# Altium PCB MT-MacthCard V2.1.0.PcbDoc
Units mm, origin at the board's own origin, x right, y up, seen from the top; angles counter-clockwise.
Board outline 115 x 120 mm, 2 copper layers (Top Layer, Bottom Layer); 218 components, 142 nets, 610 pads, 1 vias.
Unrouted connection lines stored in the file: 438.
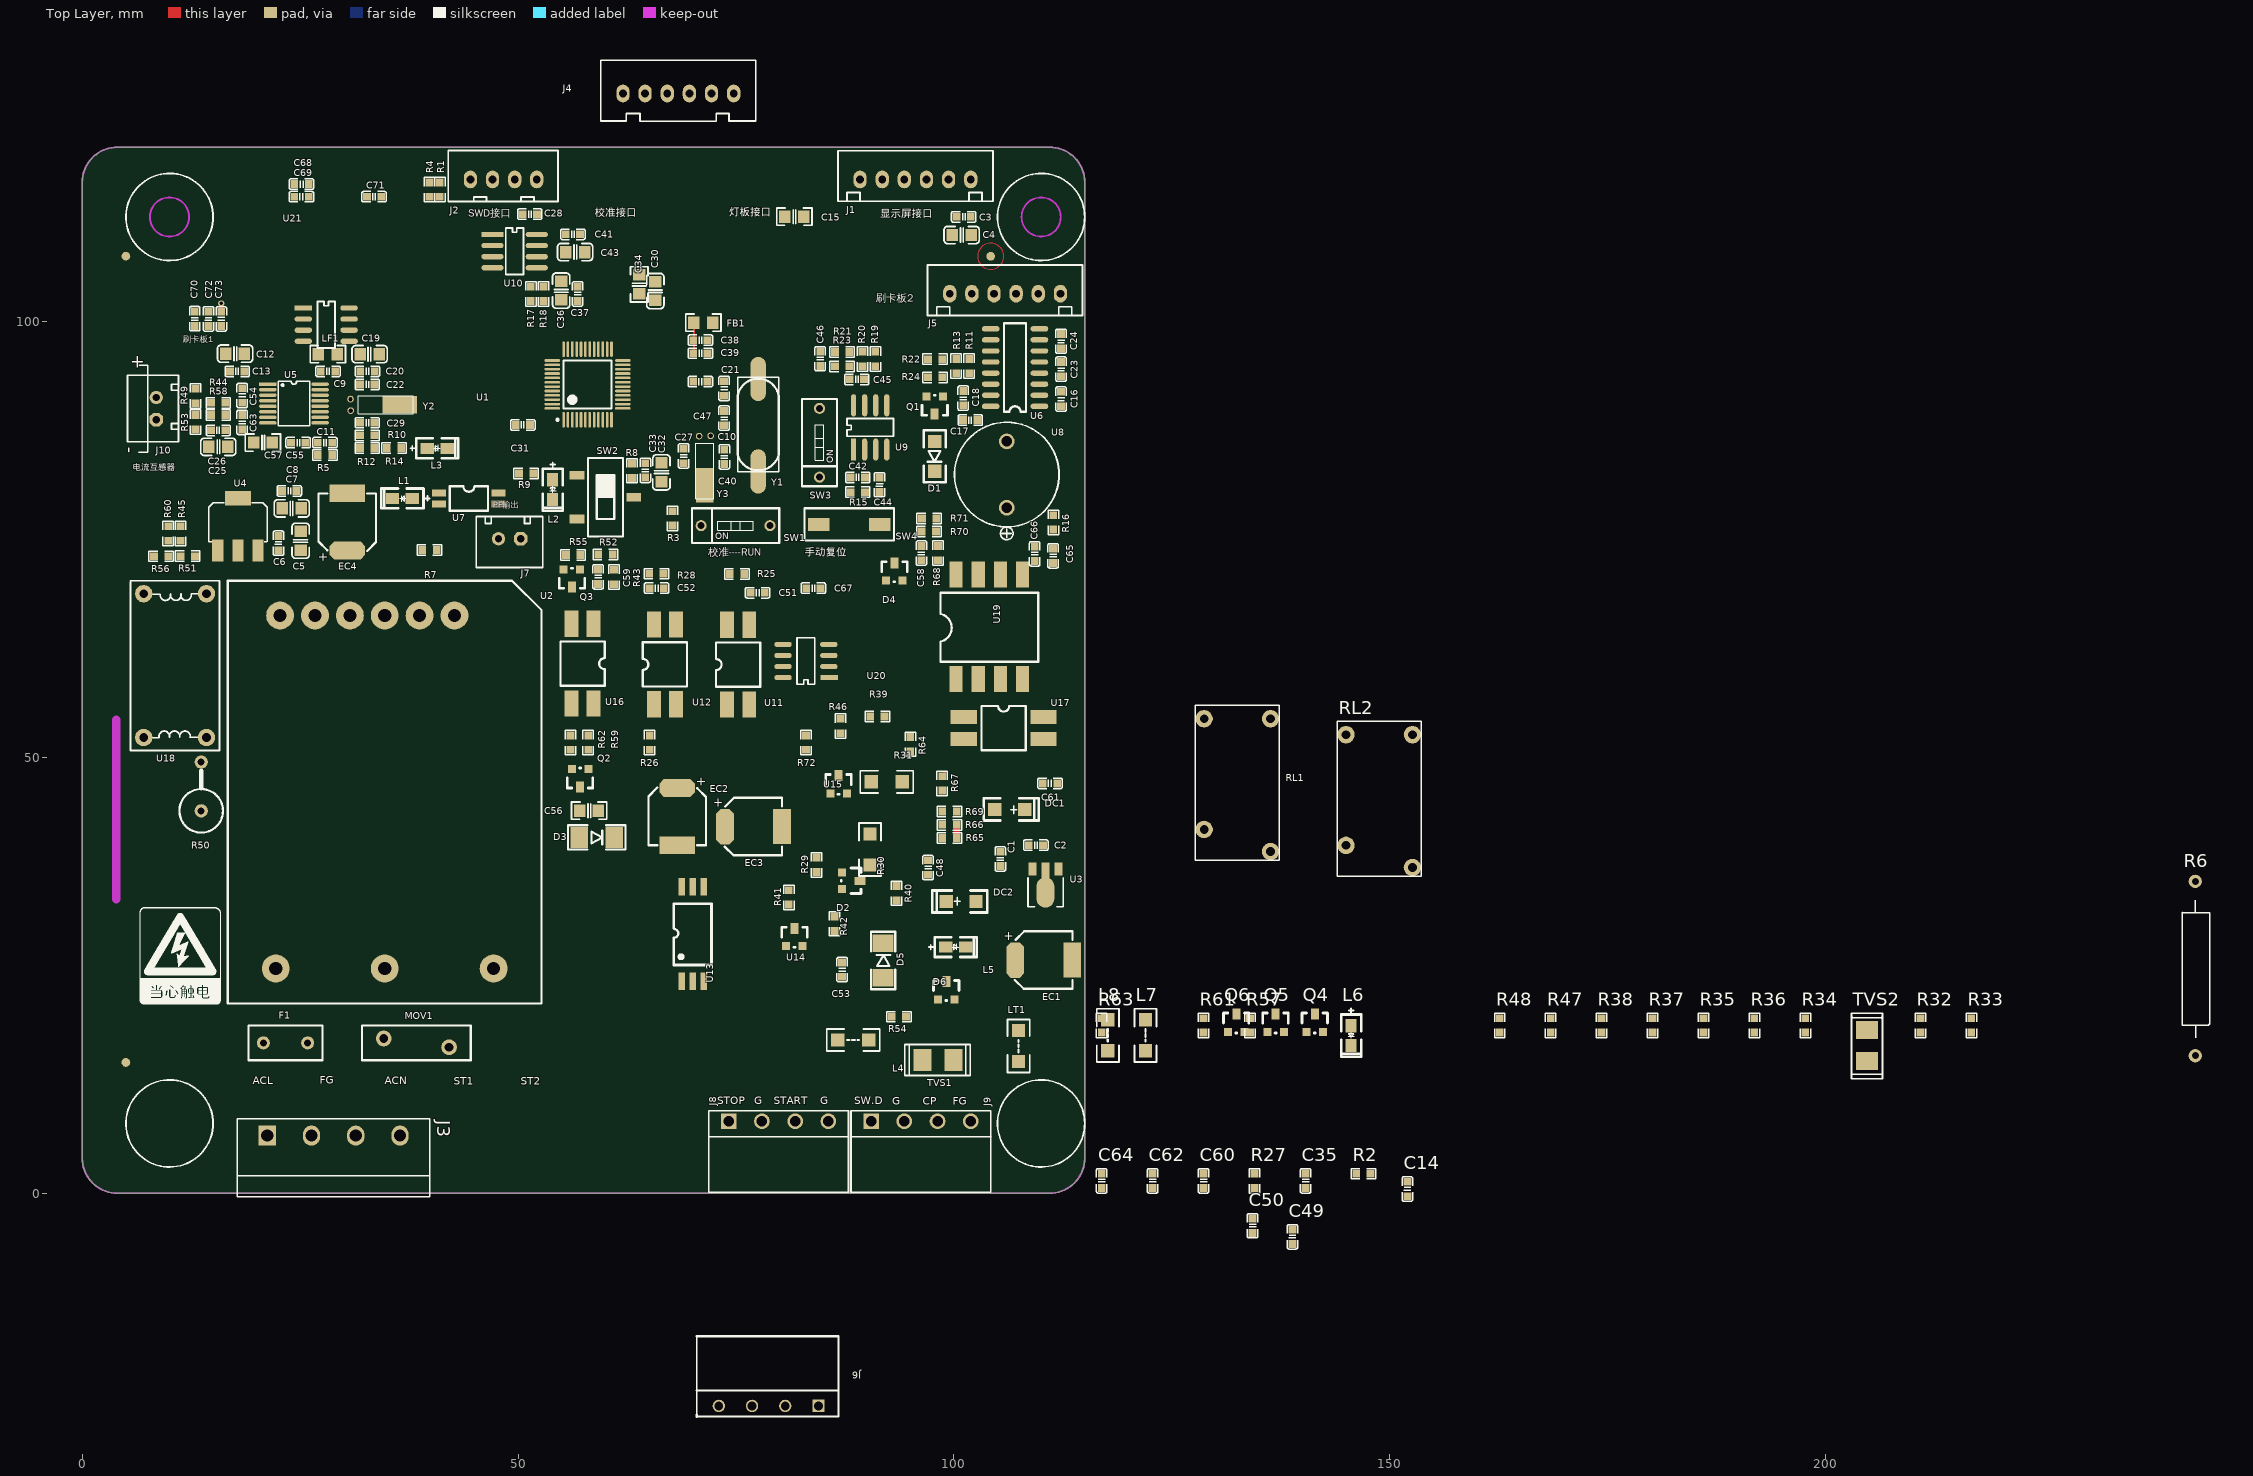
[diagram p0: Top Layer view]
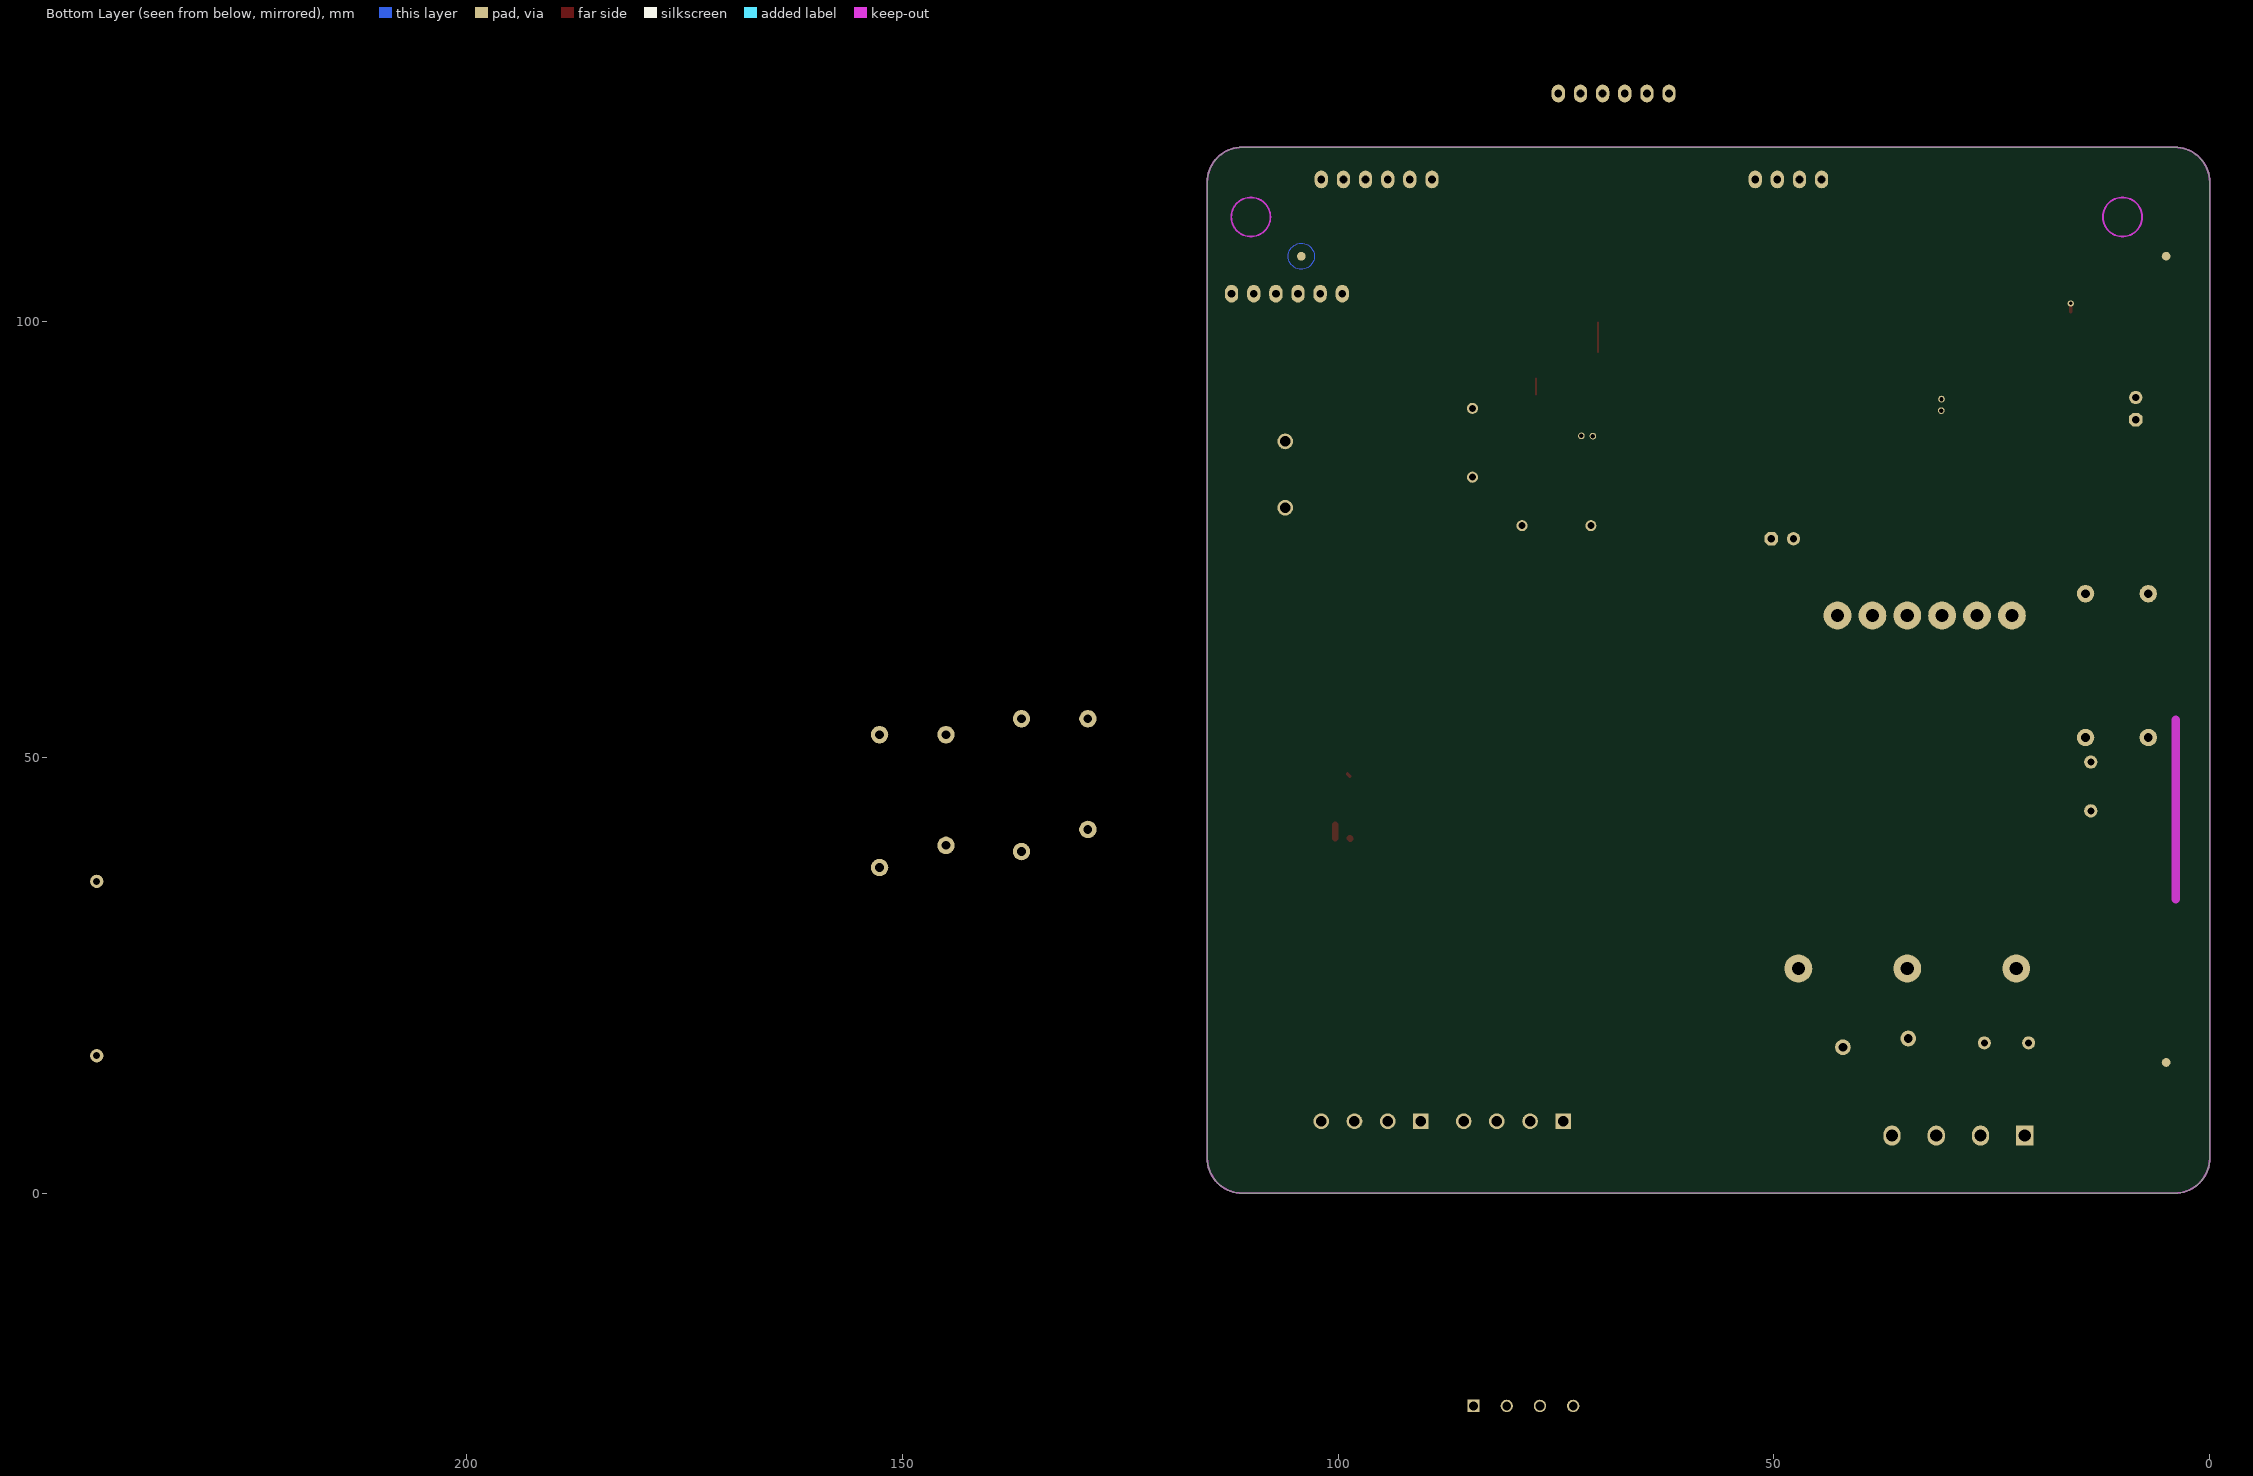
[diagram p1: Bottom Layer view, seen from below]

## Layer stack, top to bottom
Top Layer: signal copper 0.0356
Dielectric: core 0.32, FR-4, Dk 4.8
Bottom Layer: signal copper 0.0356

## Board outline
0,4 ccw(c4,4) 4,0 9,0 111,0 ccw(c111,4) 115,4 115,54.998 115,116 ccw(c111,116) 111,120 4,120 ccw(c4,116) 0,116

## Design rules (kind name [scope] priority, off if disabled: settings)
Clearance [InPoly] p1: gap=0.305
Clearance Clearance_1 [All] p2: gap=0.178
ComponentClearance [All] p1 off: gap=0.025 collisioncheckmode=3 verticalgap=0.025 showdistances=FALSE
FabricationTestpoint [(IsPad And (OnTopLayer Or OnBottomLayer))] p1: side=3 testpointundercomponent=TRUE minsize=1.016 maxsize=2.54 preferedsize=1.524 minholesize=0 maxholesize=1.016 preferedholesize=0.813 testpointgrid=0.025 allowsidetop=TRUE allowsidebottom=TRUE usegrid=TRUE gridtolerance=0
HoleSize [All] p1: absolutevalues=TRUE maxlimit=5.08 minlimit=0 maxpercent=80.000 minpercent=20.000
MinimumSolderMaskSliver [All] p1: minsoldermaskwidth=0
PolygonConnect [IsVia] p1: connectstyle=Direct reliefconductorwidth=0.254 reliefentries=4 polygonreliefangle="90 Angle" airgapwidth=0.254
PolygonConnect PolygonConnect_1 [All] p2: connectstyle=Relief reliefconductorwidth=0.381 reliefentries=4 polygonreliefangle="90 Angle" airgapwidth=0.254
RoutingVias [All] p1: holewidth=0.711 width=1.27 viastyle="Through Hole" minholewidth=0.254 minwidth=0.254 maxholewidth=0.711 maxwidth=1.27
SilkToSilkClearance [All] p1: silktosilkclearance=0
SilkToSolderMaskClearance [IsPad] p1: minsilkscreentomaskgap=0 clearancetoexposedcopper=TRUE
SolderMaskExpansion [All] p1: expansion=0.102
Width [All] p1: maxlimit=10 minlimit=0.013 preferedwidth=0.254 minimp=50.000000 maximp=50.000000 favimp=50.000000
22 further rules are at their usual default settings.

## Components (designator, comment, footprint, x,y, rotation, side; value= is the part's Value field where it differs from the comment)
C1 "104" 0603C 105.33,38.354 r270 top
C2 "104" 0603C 109.394,39.929 r0 top
C3 "104" 0603C 101.114,112.014 r0 top
C4 "10uF" 0805C#1 100.885,109.931 r180 top
C5 "10uF" 0805C#1 25.041,74.854 r90 top
C6 "0.1uF" 0603C 22.501,74.574 r90 top
C7 "10uF" 0805C#1 24.025,78.562 r0 top
C8 "0.1uF" 0603C 23.745,80.569 r0 top
C9 "104" 0603C 28.19,94.285 r180 top
C10 "22P" 0603C 73.631,88.925 r270 top
C11 "104" 0603C 27.835,86.106 r0 top
C12 "10uF" 0805C#1 17.522,96.317 r180 top
C13 "104" 0603C 17.776,94.285 r180 top
C14 "0.1uF" 0603C 152.03,0.479 r90 top
C15 "10uF" 0805C#2 82.749,112.014 r180 top
C16 "0.1uF" 0603C 112.29,91.11 r270 top
C17 "0.1uF" 0603C 101.876,88.697 r180 top
C18 "1uF" 0603C 101.063,91.211 r270 top
C19 "10uF" 0805C#1 32.965,96.266 r0 top
C20 "104" 0603C 32.711,94.285 r0 top
C21 "22P" 0603C 73.631,92.329 r90 top
C22 "22P" 0603C 32.686,92.786 r0 top
C23 "0.1uF" 0603C 112.29,94.539 r270 top
C24 "0.1uF" 0603C 112.29,97.739 r270 top
C25 "10uF" 0805C#1 15.592,85.623 r180 top
C26 "104" 0603C 15.592,87.528 r180 top
C27 "10P" 0603C 68.983,84.582 r270 top
C28 "104" 0603C 51.33,112.319 r0 top
C29 "22P" 0603C 32.686,88.392 r0 top
C30 "10uF" 0805C#1 65.731,103.505 r90 top
C31 "104" 0603C 50.542,88.138 r180 top
C32 "10uF" 0805C#1 66.443,82.702 r270 top
C33 "104" 0603C 64.588,82.931 r270 top
C34 "10uF" 0805C#2 63.877,103.2 r90 top
C35 "104" 0603C 140.346,1.419 r90 top
C36 "10uF" 0805C#1 54.936,103.556 r90 top
C37 "104" 0603C 56.816,103.175 r90 top
C38 "1uF" 0603C 70.913,97.866 r0 top
C39 "104" 0603C 70.913,96.368 r0 top
C40 "10P" 0603C 73.656,84.48 r270 top
C41 "0.1uF" 0603C 56.283,110.007 r0 top
C42 "104" 0603C 88.961,82.124 r180 top
C43 "10uF" 0805C#1 56.537,107.975 r180 top
C44 "104" 0603C 91.462,81.28 r270 top
C45 "104" 0603C 88.845,93.37 r0 top
C46 "104" 0603C 84.654,95.733 r90 top
C47 "104" 0603C 70.913,93.116 r180 top
C48 "104" 0603C 97.028,37.363 r90 top
C49 "104" 0603C 138.836,-5.004 r90 top
C50 "104" 0603C 134.264,-3.734 r90 top
C51 "104" 0603C 77.47,68.885 r0 top
C52 "104" 0603C 65.884,69.418 r0 top
C53 "100pF" 0603C 87.169,25.654 r270 top
C54 "104" 0603C 18.335,91.516 r90 top
C55 "102" 0603C 24.761,86.106 r0 top
C56 "104" 0805C#1 58.137,43.891 r180 top
C57 "104" 0805C#2 21.789,86.106 r180 top
C58 "102" 0603C 96.272,73.435 r270 top
C59 "104" 0603C 59.174,70.717 r90 top
C60 "33nF" 0603C 128.636,1.419 r90 top
C61 "104" 0603C 111.02,47.015 r180 top
C62 "33nF" 0603C 122.794,1.419 r90 top
C63 "33nF" 0603C 18.335,88.443 r270 top
C64 "33nF" 0603C 116.952,1.419 r90 top
C65 "103" 0603C 111.375,73.127 r90 top
C66 "104" 0603C 109.267,73.355 r90 top
C67 "103" 0603C 83.867,69.418 r0 top
C68 "104" 0603C 25.142,115.773 r0 top
C69 "104" 0603C 25.142,114.325 r180 top
C70 "104" 0603C 12.899,100.33 r270 top
C71 "103" 0603C 33.473,114.325 r180 top
C72 "104" 0603C 14.474,100.305 r270 top
C73 "104" 0603C 15.947,100.305 r90 top
D1 "1N4148" 1206D 97.786,84.531 r270 top
D2 "BAV54C" SOT23#1 87.171,36.779 r270 top
D3 "1N4007" DO-214AC 59.026,40.818 r0 top
D4 "BAV54C" SOT23#1 92.224,70.282 r0 top
D5 "1N4007" DO-214AC 91.872,26.695 r90 top
D6 "BAV54C" SOT23#1 98.177,22.225 r0 top
DC1 "10uF,16V" CA1206 108.128,44.044 r0 top
DC2 "10uF,16V" CA1206 99.111,33.452 r180 top
EC1 "100uF,25V" C100UF16VEJ 107.036,26.746 r0 top
EC2 "100uF,25V" C100UF16VEJ 68.246,46.482 r270 top
EC3 "100uF,25V" C100UF16VEJ 73.732,42.062 r0 top
EC4 "100uF,25V" C100UF16VEJ 30.4,73.736 r90 top
F1 "2A/250V" 方形保险丝 23.313,17.247 r180 top
FB1 "220R @ 100MHZ" 0805R 71.243,99.873 r180 top
J1 "CON6" CON06_2.54 89.226,116.307 r0 top
J2 "CON4" CON04_2.54 48.332,116.307 r0 top
J3 "CON3" CON-5.08MM-4P 28.829,6.604 r0 top
J4 "CON6" CON06_2.54 62.027,126.162 r0 top
J5 "CON6" CON06_2.54 99.513,103.2 r0 top
J6 "CON4" KF2EDG-4P-3.81mm 84.455,-24.409 r180 top
J7 "CON2" CON2P 50.288,75.082 r180 top
J8 "CON4" KF2EDG-4P-3.81MM 74.164,8.255 r0 top
J9 "HEADER 4" KF2EDG-4P-3.81MM 90.496,8.255 r0 top
J10 "CON2" CON2P 8.48,88.748 r90 top
L1 "Green" D0805 37.868,79.705 r270 top
L2 "Green" D0805 53.971,81.864 r0 top
L3 "RED" D0805 39.569,85.471 r90 top
L4 "100uH" 1206L#1 88.443,17.577 r180 top
L5 "Green" D0805 99.06,28.245 r90 top
L6 "Green" D0805 145.578,19.224 r0 top
L7 "100uH" 1206L#2 121.981,16.329 r90 top
L8 "100uH" 1206L#2 117.663,16.329 r90 top
LF1 "1.0uH" 0805R 28.165,96.266 r0 top
LT1 "1uH" 1206L#1 107.417,16.891 r270 top
MOV1 "14D471K" 10D471K 38.325,17.247 r180 top
Q1 "8050" SOT23#2 98.751,91.44 r180 top
Q2 "8550" SOT23#2 58.061,48.666 r180 top
Q3 "9013" SOT23#2 57.117,71.583 r180 top
Q4 "9013" SOT23#2 140.447,18.488 r0 top
Q5 "9013" SOT23#2 135.951,18.488 r0 top
Q6 "9013" SOT23#2 131.43,18.488 r0 top
R1 "10K" 0603R 41.017,115.138 r270 top
R2 "10K" 0603R 146.975,2.232 r0 top
R3 "10K" 0603R 67.713,77.419 r270 top
R4 "10K" 0603R 39.823,115.138 r270 top
R5 "47R" 0603R 27.835,84.684 r0 top
R6 "100R" R1-1 242.418,15.773 r90 top
R7 "1.5K" 0603R 39.823,73.787 r180 top
R8 "10K" 0603R 63.064,82.88 r90 top
R9 "3K" 0603R 50.923,82.575 r180 top
R10 "10R" 0603R 32.686,86.944 r0 top
R11 "10R" 0603R 101.749,94.894 r90 top
R12 "10R" 0603R 32.686,85.496 r0 top
R13 "10R" 0603R 100.25,94.894 r90 top
R14 "75R" 0603R 35.759,85.496 r180 top
R15 "10K" 0603R 88.961,80.422 r0 top
R16 "10R" 0603R 111.401,76.962 r270 top
R17 "10k" 0603R 51.457,103.175 r90 top
R18 "10K" 0603R 52.904,103.175 r90 top
R19 "10K" 0603R 90.979,95.707 r270 top
R20 "10K" 0603R 89.506,95.707 r270 top
R21 "10K" 0603R 87.169,96.52 r180 top
R22 "4K7" 0603R 97.837,95.682 r180 top
R23 "47R" 0603R 87.169,94.869 r180 top
R24 "10K" 0603R 97.837,93.599 r0 top
R25 "10K" 0603R 75.104,71.044 r0 top
R26 "10K" 0603R 65.096,51.689 r270 top
R27 "10K" 0603R 134.478,1.419 r90 top
R28 "10K" 0603R 65.858,71.069 r0 top
R29 "200R" 0603R 84.224,37.674 r90 top
R30 "360R" 1206R 90.371,37.648 r90 top
R31 "1K" 1206R 94.082,47.193 r180 top
R32 "20K/1%" 0603R 210.881,19.25 r90 top
R33 "4K7/1%" 0603R 216.723,19.25 r90 top
R34 "51R/1%" 0603R 197.673,19.25 r90 top
R35 "2K7/1%" 0603R 185.989,19.25 r90 top
R36 "1K1/1%" 0603R 191.831,19.25 r90 top
R37 "1k" 0603R 180.147,19.25 r90 top
R38 "1K1/1%" 0603R 174.305,19.25 r90 top
R39 "2K7/1%" 0603R 91.211,54.686 r180 top
R40 "10K" 0603R 93.421,34.417 r90 top
R41 "51R/1%" 0603R 81.051,33.934 r90 top
R42 "10K" 0603R 86.284,30.912 r90 top
R43 "2K" 0603R 61.007,70.688 r90 top
R44 "1.2K" 0603R 15.592,90.678 r0 top
R45 "1.2K" 0603R 11.274,75.692 r90 top
R46 "4K7/1%" 0603R 86.995,53.594 r90 top
R47 "20K/1%" 0603R 168.463,19.25 r90 top
R48 "2K" 0603R 162.621,19.25 r90 top
R49 "22R,1%" 0603R 12.976,91.465 r270 top
R50 "110K/1W" R1-2 13.636,43.866 r90 top
R51 "75R,1%(原100)" 0603R 12.087,73.083 r180 top
R52 "10K" 0603R 60.016,73.279 r0 top
R53 "22R,1%" 0603R 12.976,88.468 r270 top
R54 "10K" 0603R 93.675,20.244 r180 top
R55 "3K" 0603R 56.308,73.228 r180 top
R56 "75R,1%" 0603R 9.039,73.076 r180 top
R57 "3K" 0603R 133.97,19.25 r90 top
R58 "1.2K" 0603R 15.592,89.281 r0 top
R59 "5.1K" 0603R 58.035,51.689 r270 top
R60 "1.2K" 0603R 9.851,75.692 r90 top
R61 "5.1K" 0603R 128.636,19.25 r90 top
R62 "4K7" 0603R 56.003,51.689 r270 top
R63 "4K7" 0603R 116.952,19.25 r90 top
R64 "200R/1%" 0603R 94.996,51.511 r90 top
R65 "10R" 0603R 99.488,40.742 r0 top
R66 "33K/1%" 0603R 99.488,42.266 r180 top
R67 "33K/1%" 0603R 98.65,47.015 r90 top
R68 "31K6/1%" 0603R 98.177,73.435 r270 top
R69 "100K/1%" 0603R 99.488,43.79 r180 top
R70 "10K/1%" 0603R 97.126,75.921 r180 top
R71 "10K/1%" 0603R 97.151,77.419 r0 top
R72 "20K/1%" 0603R 83.029,51.689 r270 top
RL1 "JQ1P-12V" HF32F-12V 129.718,54.432 r90 top
RL2 "JQ1P-12V" HF32F-12V 145.999,52.603 r90 top
SW1 "排针" SW1 70.692,76.592 r270 top
SW2 "K3-1235S-F1" K3-1235S-F1 60.016,79.858 r270 top
SW3 "拨码开关" SW1 84.571,81.843 r0 top
SW4 "按键" SW 87.986,76.733 r0 top
TVS1 "BA301N" 3528TVS#1 98.177,15.291 r0 top
TVS2 "BA301N" 3528TVS#2 204.735,18.716 r90 top
U1 "STM32F103C8T6" LQFP48_N 57.963,92.786 r90 top
U2 "LH05-10C0515-01" LH05-10C0515-01 34.693,46.025 r90 top
U3 "LM78L05" SOT-89 112.014,37.186 r180 top
U4 "AMS1117-3.3" SOT223 17.852,76.733 r0 top
U5 "HT7017/3.3V" SSOP16 24.279,90.602 r0 top
U6 "SP3232EEN" SO-16 109.8,90.272 r180 top
U7 "TLP281" EL3H7 44.345,79.705 r90 top
U8 "BELL" BUZZ 106.067,82.448 r270 top
U9 "SP706SEN" SOP8#1 88.49,85.319 r90 top
U10 "AT24C16" SOP8#1 47.062,109.982 r0 top
U11 "PS2501L-1" DIP-4 73.965,56.083 r180 top
U12 "PS2501L-1" DIP-4 65.557,56.109 r180 top
U13 "W314" "w314 - duplicate" 68.758,24.333 r0 top
U14 "CJ431" SOT23#2 80.747,28.321 r0 top
U15 "CJ431" SOT23#1 85.823,45.872 r0 top
U16 "PS2501L-1" DIP-4 58.67,65.311 r0 top
U17 "PS2501L-1" DIP-4 101.143,54.635 r90 top
U18 "ZMPT107/2mA:2mA" ZMPT107 10.639,60.528 r90 top
U19 "HCNR201" "HCNR201 - S" 100.252,58.979 r90 top
U20 "LM258" SOP8#2 85.547,59.157 r180 top
U21 "LM258" SOP8#2 25.447,101.549 r0 top
Y1 "8M" ZS_SMD 77.542,88.113 r90 top
Y2 "6M" ZS-32.768 33.528,90.449 r0 top
Y3 "32.768KHz" ZS-32.768 71.421,84.125 r270 top

## Footprints (in the part's own frame and the unit in brackets; to place one, negate y for a bottom-side part, rotate by r counter-clockwise, add the part's x,y. Pads: shape width x height; smd on the part's side, far side on the other; paste and mask are expansions set on the pad)
10D471K [mm]
  round 1.8 hole 1: 1(-3.75,0.5) 2(3.75,-0.5)
  silkscreen extent -6.25,-2 6.25,2
0603C [mil]
  rect 35x35 smd: 1(-32.5,0) 2(32.5,0)
  silkscreen extent -55,-24 55,24
0603R [mil]
  rect 35x35 smd: 1(-32.5,0) 2(32.5,0)
  silkscreen extent -55,-24 55,24
0805C#1 [mil]
  rect 52x56 smd: 1(-42.5,0) 2(42.5,0)
  silkscreen extent -80,-39 80,39
0805C#2 [mil]
  rect 52x56 smd: 1(-0.58,-0.68) 2(84.42,-0.68)
  silkscreen extent -38,-40 121,38
0805R [mil]
  rect 52x56 smd: 1(-42.5,0) 2(42.5,0)
  silkscreen extent -80,-39 79,39
1206D [mil]
  rect 60x60 smd: 1(-67.5,0) 2(67.5,0)
  silkscreen extent -118,-50 117,50
1206L#1 [mil]
  rect 60x60 smd: 1(-70,0) 2(70,0)
  silkscreen extent -120,-50 120,50
1206L#2 [mil]
  rect 60x60 smd: 1(0.16,0.47) 2(140.16,0.47)
  silkscreen extent -50,-50 190,50
1206R [mil]
  rect 60x60 smd: 1(0.33,-0.04) 2(140.33,-0.04)
  silkscreen extent -50,-50 190,50
3528TVS#1 [mil]
  rect 80x100 smd: 1(70,0) 2(-70,0)
  silkscreen extent -150,-70 146,70
3528TVS#2 [mil]
  rect 80x100 smd: 1(0.13,-0.54) 2(-139.87,-0.54)
  silkscreen extent -220,-71 76,69
BUZZ [mm]
  round 1.8 hole 1.2: 1(3.8,0) 2(-3.8,0)
  silkscreen extent -6,-6 7.47,6
C100UF16VEJ [mil]
  oct 80x160 smd: 1(-0.01,-0.43)
  rect 80x160 smd: 2(257.94,0.35)
  silkscreen extent -2,-130 258,130
CA1206 [mil]
  rect 60x60 smd: 1(-0.08,-0.48) 2(-135.08,-0.48)
  silkscreen extent -185,-50 62,50
CON2P [mil]
  oct 60x60 hole 33.47: 1(0.08,-0.13)
  round 60 hole 33.47: 2(100.08,-0.13)
  silkscreen extent -100,-100 200,130
CON04_2.54 [mil]
  oval 60x80 hole 35: 1(-150,0) 2(-50,0) 3(50,0) 4(150,0)
  silkscreen extent -250,-100 246,130
CON06_2.54 [mil]
  oval 60x80 hole 35: 1(0,0) 2(100,0) 3(200,0) 4(300,0) 5(400,0) 6(500,0)
  silkscreen extent -100,-98 600,130
CON-5.08MM-4P [mm] "CON-5.08MM-4P"
  rect 2x2.3 hole 1.4: 1(-7.62,0)
  oval 2x2.3 hole 1.4: 2(-2.54,0) 3(2.54,0) 4(7.62,0)
  silkscreen extent -11.04,-6.98 11.04,1.96
D0805 [mil]
  rect 50x60 smd: 1(-0.34,-0.09) 2(-0.34,-90.09)
  silkscreen extent -45,-140 45,77
DIP-4 [mm]
  rect 1.6x3 smd: 1(-0.008,0.015) 2(-2.548,0.015) 3(-2.548,-9.129) 4(-0.008,-9.129)
  silkscreen extent -3.82,-7.1 1.26,-2.02
DO-214AC [mm]
  rect 2x2.4 smd: 1(-2,0) 2(2,0)
  silkscreen extent -3.3,-1.4 3.3,1.4
EL3H7 [mm]
  rect 0.8x1.6 smd: 1(0.635,3.4) 2(-0.635,3.4) 3(-0.635,-3.4) 4(0.635,-3.4)
  silkscreen extent -1.4,-2.2 1.4,2.2
"HCNR201 - S" [mm]
  rect 3x1.5 smd: 1(0,0) 2(0,-2.54) 3(0,-5.08) 4(0,-7.62) 5(12,-7.62) 6(12,-5.08) 7(12,-2.54) 8(12,0)
  silkscreen extent 2,-9.41 9.9,1.79
HF32F-12V [mm]
  round 2 hole 1: 1(0,1.016) 2(0,-6.604) 3(-12.7,1.016) 4(-15.24,-6.604)
  silkscreen extent -16.26,-7.62 1.52,2.03
K3-1235S-F1 [mm]
  rect 1x1.7 smd: 1(-2.5,-3.25) 2(0,3.25) 3(2.5,-3.25)
  silkscreen extent -4.5,-2 4.5,2
KF2EDG-4P-3.81mm [mil]
  rect 56x56 hole 39.37: 1(0,0)
  round 56 hole 39.37: 2(150,0) 3(300,0) 4(450,0)
  silkscreen extent -91,-315 550,50
KF2EDG-4P-3.81MM [mm]
  rect 1.8x1.8 hole 1.2: 1(0,0)
  round 1.8 hole 1.2: 2(3.81,0) 3(7.62,0) 4(11.43,0)
  silkscreen extent -2.3,-8.15 13.74,1.2
LH05-10C0515-01 [mm] "48.5*36*20.5"
  round 3.2 hole 1.5: 1(-20.25,12.5) 2(-20.25,0) 3(-20.25,-12.5) 4(20.25,8) 5(20.25,4) 6(20.25,0) 7(20.25,-4) 8(20.25,-8) ""(20.25,12)
  silkscreen extent -24.25,-18 24.25,18
LQFP48_N [mm] "Thin QFP, 48-Leads, Body 7x7mm, Pitch 0.5mm, IPC Medium Density"
  oval 1.8x0.3 smd: 1(-4.05,2.75) 2(-4.05,2.25) 3(-4.05,1.75) 4(-4.05,1.25) 5(-4.05,0.75) 6(-4.05,0.25) 7(-4.05,-0.25) 8(-4.05,-0.75) 9(-4.05,-1.25) 10(-4.05,-1.75) 11(-4.05,-2.25) 12(-4.05,-2.75) 25(4.05,-2.75) 26(4.05,-2.25) 27(4.05,-1.75) 28(4.05,-1.25) 29(4.05,-0.75) 30(4.05,-0.25) 31(4.05,0.25) 32(4.05,0.75) 33(4.05,1.25) 34(4.05,1.75) 35(4.05,2.25) 36(4.05,2.75)
  oval 0.3x1.8 smd: 13(-2.75,-4.05) 14(-2.25,-4.05) 15(-1.75,-4.05) 16(-1.25,-4.05) 17(-0.75,-4.05) 18(-0.25,-4.05) 19(0.25,-4.05) 20(0.75,-4.05) 21(1.25,-4.05) 22(1.75,-4.05) 23(2.25,-4.05) 24(2.75,-4.05) 37(2.75,4.05) 38(2.25,4.05) 39(1.75,4.05) 40(1.25,4.05) 41(0.75,4.05) 42(0.25,4.05) 43(-0.25,4.05) 44(-0.75,4.05) 45(-1.25,4.05) 46(-1.75,4.05) 47(-2.25,4.05) 48(-2.75,4.05)
  silkscreen extent -4.17,-2.75 2.75,3.57, body extent -3.5,-3.5 3.5,3.5, height 1.6
R1-1 [mil]
  round 60 hole 31.5: 1(0,0) 2(787.4,0)
  silkscreen extent 80,-65 703,59
R1-2 [mil]
  round 60 hole 31.5: 1(0,0) 2(220.47,0)
  silkscreen extent -98,-98 181,98
SO-16 [mil]
  oval 80x24 smd: 1(-0.2,-0.3) 2(-0.2,-50.3) 3(-0.2,-100.3) 4(-0.2,-150.3) 5(-0.2,-200.3) 6(-0.2,-250.3) 7(-0.2,-300.3) 8(-0.2,-350.3) 9(219.8,-350.3) 10(219.8,-300.3) 11(219.8,-250.3) 12(219.8,-200.3) 13(219.8,-150.3) 14(219.8,-100.3) 15(219.8,-50.3) 16(219.8,-0.3)
  silkscreen extent 60,-375 160,25
SOP8#1 [mm]
  rect 2.54x0.6 smd: 1(-0.006,0.006)
  oval 2.54x0.6 smd: 2(-0.006,-1.264) 3(-0.006,-2.534) 4(-0.006,-3.804) 5(5.074,-3.804) 6(5.074,-2.534) 7(5.074,-1.264) 8(5.074,0.006)
  silkscreen extent 1.52,-4.57 3.55,0.77
SOP8#2 [mm]
  rect 2x0.6 smd: 1(-0.123,0.006)
  oval 2x0.6 smd: 2(-0.093,-1.264) 3(-0.093,-2.534) 4(-0.093,-3.804) 5(5.157,-3.804) 6(5.157,-2.534) 7(5.157,-1.264) 8(5.157,0.006)
  silkscreen extent 1.52,-4.57 3.55,0.77
SOT23#1 [mil]
  rect 36x36 smd: 1(-0.49,0.35) 3(74.51,0.35)
  rect 36x50 smd: 2(37.51,80.35)
  silkscreen extent -20,-5 95,85
SOT23#2 [mil]
  rect 36x36 smd: 1(-0.08,0.75) 3(74.92,0.75)
  rect 36x50 smd: 2(37.92,80.75)
  silkscreen extent -20,-4 95,86
SOT223 [mm]
  rect 1.3x2.5 smd: 1(-2.3,-3) 2(0,-3) 3(2.3,-3)
  rect 3x1.65 smd: 4(0,3)
  silkscreen extent -3.35,-2.01 3.35,2.5
SOT-89 [mm]
  rect 0.9x1.473 smd: 1(0,0.006) 3(2.994,0.006)
  rect 0.9x2 smd: 2(1.494,0.273)
  oval 2.032x3.5 smd: 2(1.519,2.686)
  silkscreen extent -0.53,1.02 3.53,4.32
SSOP16 [mm]
  rect 2x0.4 smd: 1(-3,2.222)
  oval 2x0.4 smd: 2(-3,1.587) 3(-3,0.953) 4(-3,0.318) 5(-3,-0.318) 6(-3,-0.953) 7(-3,-1.587) 8(-3,-2.222) 9(3,-2.222) 10(3,-1.587) 11(3,-0.953) 12(3,-0.318) 13(3,0.318) 14(3,0.953) 15(3,1.587) 16(3,2.222)
  silkscreen extent -1.8,-2.54 1.8,2.54
SW [mm]
  rect 2.5x1.5 smd: 1(-3.5,0) 2(3.5,0)
  silkscreen extent -5.13,-1.85 5.13,1.85
SW1 [mm]
  round 1.27 hole 0.8: 1(0.011,0.3) 2(0.011,8.2)
  silkscreen extent -1.99,-0.74 2.01,9.26
"w314 - duplicate" [mm]
  rect 0.76x2 smd: 1(0,0) 2(1.27,0) 3(2.54,0) 4(2.54,10.8) 5(1.27,10.8) 6(0,10.8)
  silkscreen extent -0.89,1.85 3.43,8.89
ZMPT107 [mm]
  round 2 hole 1: 1(8.25,-3.6) 2(8.25,3.6) 3(-8.25,-3.6) 4(-8.25,3.6)
  silkscreen extent -9.75,-5.1 9.75,5.1
ZS-32.768 [mil]
  round 30 hole 20: 1(-107.67,-26) 2(-108.67,26)
  rect 157.48x78.74 smd: 3(114,0)
  silkscreen extent -75,-40 175,40
ZS_SMD [mm]
  oval 5.08x1.778 smd: 1(-5.3,0) 2(5.3,0)
  silkscreen extent -5.36,-2.38 5.51,2.35
方形保险丝 [mm]
  round 1.5 hole 0.8: 1(-2.54,0) 2(2.54,0)
  silkscreen extent -4.25,-2 4.25,2

## Part data
C1 C2 C28: library part CAP, "0805贴片电容/50V/0.1uF/±10%/X7R"
C3 C5 C6 C7 C8 C11 C16 C17 C18 C23 C24 C43 C56 C57 C59 C61: library part CAP, "Capacitor"
C4 C9 C10 C12 C13 C19 C20 C21 C22 C25 C26 C27 C29 C30 C31 C32 C33 C34 C35 C36 C37 C38 C39 C40: library part CAP1
C14: library part Cap, "0603贴片电容/50V/100nF/±10%/X7R"
C15: library part Cap, "0805贴片电容/25V/10uF/±10%/X7R"
C41 C42 C44 C45 C46 C47 C48 C54 C55 C58 C66 C68 C69 C70 C72 C73: library part CAP1, "0603贴片电容/50V/0.1uF/±10%/X7R"
C49 C50 C51 C52 C53: library part CAP, "0603贴片电容/50V/0.1uF/±10%/X7R"
C60 C62 C63 C64: library part CAP1, "0603贴片电容/50V/33nF/±10%/X7R"
C65 C67 C71: library part CAP1, "0603贴片电容/50V/10nF/±10%/X7R"
D1 D3 D5: library part DIODE
DC1 DC2: library part CAP2, "贴片钽电容/16V/10uF/A型3216/AVX"
EC1 EC2 EC3 EC4: library part "CAPACITOR POL", "贴片铝电解电容/16V/100uF/6.3*5.4"
F1: library part FUSE
FB1: library part FERRITE-BEAD, "CBG201209U221"
J1 J2 J3 J4 J5 J6 J7 J8 J10: "Connector"
J9: library part "4 HEADER", "4 Pin Header"
L1 L2 L3 L5 L6: library part LED, "17-21/GHC-XS1T2M/3T,绿色LED/0805/亿光"
L4 LF1 LT1: library part INDUCTOR
L7 L8: library part INDUCTOR, "贴片功率电感/100uH/LC7*7*3"
MOV1: library part NTC
Q1 Q3 Q4 Q5 Q6: library part NPN
Q2: library part PNP, "PNP Transistor"
R1 R2 R3 R4 R5 R8 R40 R42 R43 R48 R50 R52 R54 R55 R57 R59 R61 R62 R63: library part RES1
R6: library part RES1, "0603贴片电阻/2K/0.1W/±1%"
R7 R10 R11 R12 R13 R16 R22 R24: library part RES-1, "RES"
R9 R14 R29 R37: library part RES1, "0603贴片电阻/200R/0.1W/±5%"
R15 R17 R18 R19 R20 R21 R26 R28: library part RES1, "0603贴片电阻/10K/0.1W/±5%"
R23: library part RES1, "0603贴片电阻/47R/0.1W/±5%"
R25 R27: library part RES1, "0603贴片电阻/2K/0.1W/±5%"
R30: library part RES1, "0603贴片电阻/10R/0.1W/±5%"
R31: library part RES2, "五色环/轴状/金属膜电阻/1K/1W/±1%"
R32 R47: library part RES1, "0603贴片电阻/20K/0.1W/±1%"
R33 R46: library part RES1, "0603贴片电阻/4.7K/0.1W/±1%"
R34 R41: library part RES1, "0603贴片电阻/51R/0.1W/±1%"
R35 R39: library part RES1, "0603贴片电阻/2.7K/0.1W/±1%"
R36 R38: library part RES1, "0603贴片电阻/1.1K/0.1W/±1%"
R44 R45 R58 R60: library part RES1, "0603贴片电阻/1.2K/0.1W/±5%"
R49 R51 R53 R56: library part RES-1, "0603贴片电阻/2R/0.1W/±5%"
R64: library part RES1, "0603贴片电阻/200R/0.1W/±1%"
R65 R66 R67 R70: library part RES1, "0603贴片电阻/33K/0.1W/±1%"
R68 R69: library part RES1, "0603贴片电阻/31.6K/0.1W/±1%"
R71 R72: library part RES1, "0603贴片电阻/10K/0.1W/±1%"
SW1: library part "SW SPST"
SW2: library part SW3P
SW3: library part "SW SPST", "直插拔码开关1位/DIP2/蓝色/脚距8mm"
SW4: library part SW-PB, "贴片轻触按钮/两脚/ 3*6*2.5mm"
TVS1 TVS2: library part TVS
U2: "LH05-10C0515-01,金升阳,48.5*36*20.5"
U3: library part LM7805, "LM78L05,SOT-89"
U4: library part AMS1117
U5: library part HT7017
U6: library part MAX232ESE, "NSOIC"
U7 U16 U17: library part PS2501-1
U8: "Bell"
U9: "SP706SEN,SOP8,Sipex"
U10: library part AT24C64, "EEPROM/64K/2.7V/SOP8/ATMEL"
U11 U12: library part PS2501-1, "PS2501L-1,SOP4,CEL"
U13: library part TLP113, "TLP114A,5_PIN,TOSHIBA"
U14 U15: library part TL431, "TL431,SOT23/ST/ON"
U18: library part ZMPT107
U19: library part HCNR200, "HCNR201,DIP8,HP"
U20 U21: library part AS358P-E1, "LM258,SOIC8,TI"
Y1 Y2: library part CRYSTAL, "32.768KHz晶振/圆柱形/2*6mm"
Y3: library part CRYSTAL

## Free pads (board coordinates)
  round 1 all layers, no hole: 0(5,15) 0(5,107.5) 0(104.212,107.493)

## Via types
v1: diameter 0.711, hole 0.406, Top Layer to Bottom Layer, tented both sides, 1 vias

## Nets (pads, with @x,y where several pads share a name; then routed paths per layer and width w, separated by ;. In a path a pad name is that pad's centre, name@x,y a point inside that pad or via, vN(x,y) a via of type N, cw(c..) or ccw(c..) an arc to the next point about the centre after c; other vN are vias at no path point)
//LED_DATA1: J4.1 U1.18
/RST: C46.2 C47.2 R21.2 R23.2 U1.7
ACL: F1.2 J3.1
ACL1: F1.1 MOV1.2 R50.1 U2.3
ACN: J3.3 MOV1.1 U2.2 U18.4
ASS5V: C2.2 C68.2 C69.1 DC1.1 U3.1 U19.2 U20.8
ASS_+15V: C1.2 C48.1 C56.1 C57.1 D3.2 D5.2 EC1.1 EC2.1 R25.2 R27.2 R40.2 R42.2 RL1.2 RL2.2 U2.8 U3.3 U13.6 U16.4 U17.4
ASS_-15V: C54.1 EC3.2 U2.6 U13.4
ASS_GND: C1.1 C2.1 C48.2 C54.2 C58.2 C66.2 C67.2 C68.1 C69.2 D4.1 D4.3 DC1.2 DC2.2 EC1.2 EC2.2 EC3.1 J8.2 J8.4 J9.4 L8.2 LT1.1 Q5.3 Q6.3 R46.1 R47.1 R62.2 R63.2 R70.1 U2.7 U3.2 U15.2 U19.4 U20.3 U20.4
CC: J9.3 TVS2.2
CC-AD: C70.2 C71.2 R71.2 R72.1
COM1-RX: J5.2 R11.2
COM1-TX: J5.1 R13.2
CON-A: U1.19
CP: D6.1 D6.3 J9.2 L4.1 TVS1.2
CPWM_OUT: R37.1 U1.28
DGND: C3.1 C4.2 C5.2 C6.2 C7.2 C8.2 C9.2 C10.2 C11.2 C12.2 C13.2 C14.2 C15.2 C18.1 C19.2 C20.2 C21.2 C22.2 C24.1 C25.2 C26.2 C27.2 C28.1 C29.2 C30.2 C31.2 C32.2 C33.2 C34.2 C35.2 C36.2 C37.2 C38.2 C39.2 C40.2 C41.2 C43.1 C44.2 C45.1 C46.1 C47.1 C51.2 C52.2 C60.2 C62.2 C63.2 C64.2 C70.1 C71.1 C72.1 C73.1 EC4.2 J1.5 J2.3 J4.5 J5.3 J5.5 J6.2 L1.2 Q1.3 Q2.2 Q3.3 Q4.3 R1.1 R6.1 R24.1 R49.1 R51.1 R53.2 R55.2 R56.2 R57.2 R72.2 SW1.2 SW2.1 SW4.2 U1.8 U1.23 U1.35 U1.47 U2.4 U4.1 U5.8 U6.15 U7.2 U9.3 U9.4 U10.1 U10.2 U10.3 U10.4 U10.7 U11.3 U12.3 U19.5 U21.3 U21.4
DI-DET: C50.2 J8.1 U12.2
DP3V3: C3.2 C4.1 C7.1 C8.1 C12.1 C13.1 C14.1 C15.1 C17.2 C18.2 C28.2 C30.1 C31.1 C32.1 C33.1 C34.1 C35.1 C36.1 C37.1 C38.1 C39.1 C41.1 C42.1 C43.2 C44.1 FB1.1 FB1.2 J1.6 J2.4 J4.6 J6.1 LF1.1 R2.2 R3.1 R4.2 R9.2 R15.2 R17.1 R18.1 R19.1 R20.1 R21.1 R26.2 R28.2 R29.1 R43.2 R48.2 SW2.3 U1.9 U1.24 U1.36 U1.48 U4.2 U5.1 U6.16 U9.2 U10.8 | length 3.3
  Top Layer w0.254: C39.1@70.164,96.533 FB1.2
DVDD: C19.1 C20.1 LF1.2 U5.14
FG: J3.2 J9.1 L8.1 LT1.2 TVS1.1 TVS2.1 U2.1
IN-ADA: R68.2 U19.3 U20.2
L: RL1.3
L1: RL1.4
LED_CHARGE1/RESET1: J4.3 U1.41
LED_PWR1/CLK: J4.2 U1.39
LED_WARNING/RESET2: J4.4 U1.40
N: RL2.3
N1: RL2.4
NetC9_1: C9.1 U5.16
NetC16_1: C16.1 U6.3
NetC16_2: C16.2 U6.1
NetC17_1: C17.1 U6.2
NetC23_1: C23.1 U6.5
NetC23_2: C23.2 U6.4
NetC24_2: C24.2 U6.6
NetC25_1: C25.1 C26.1 U5.7
NetC42_2: C42.2 R15.1 SW3.1 SW4.1 U9.1
NetC45_2: C45.2 R20.2 R23.1 U9.7
NetC49_1: C49.1 R25.1 U11.1
NetC50_1: C50.1 R27.1 U12.1
NetC53_1: C53.1 R29.2 U13.1
NetC53_2: C53.2 Q2.3 U13.3
NetC55_1: C55.1 D4.2 U14.3
NetC55_2: C55.2 D2.1 D2.3 R30.1 R31.1 R32.2 R33.2 U14.2
NetC56_2: C56.2 D3.1 L5.2 Q5.2 RL1.1
NetC57_2: C57.2 D5.1 L6.2 Q6.2 RL2.1
NetC58_1: C58.1 D2.2 U15.3
NetC59_1: C59.1 R43.1 U16.1
NetC59_2: C59.2 Q3.1 R52.1 R55.1
NetC61_1: C61.1 R48.1 U17.1
NetC61_2: C61.2 Q4.1 R54.1 R57.1
NetC65_1: C65.1 R69.1 R71.1 U21.1
NetC65_2: C65.2 R69.2 U19.6 U21.2
NetC66_1: C66.1 C67.1 R65.2 R66.1 | length 1.5
  Top Layer w0.762: R65.2 R66.1
NetD1_1: D1.1 Q1.2 U8.2
NetD1_2: D1.2 R16.1 U8.1
NetD6_2: D6.2 L7.1
NetDC2_1: DC2.1 L7.2 R65.1 | length 0.1
  Top Layer w0.762: R65.1@98.59,40.669 R65.1
NetJ7_1: J7.1 U7.4
NetJ7_2: J7.2 U7.3
NetJ10_1: J10.1 R53.1 R58.1
NetJ10_2: J10.2 R44.1 R49.2
NetL1_1: L1.1 R7.2
NetL2_1: L2.1 R9.1
NetL3_1: L3.1 R14.1
NetL3_2: L3.2 U7.1
NetL4_2: L4.2 R31.2
NetL5_1: L5.1 R40.1
NetL6_1: L6.1 R42.1
NetQ1_1: Q1.1 R22.1 R24.2
NetQ2_1: Q2.1 R37.2
NetQ3_2: Q3.2 U16.2
NetQ4_2: Q4.2 U17.2
NetQ5_1: Q5.1 R59.2
NetQ6_1: Q6.1 R61.2
NetR1_2: R1.2 U1.20
NetR3_2: R3.2 SW1.1 U1.45
NetR5_2: R5.2 U1.46
NetR8_1: R8.1 U1.44
NetR8_2: R8.2 SW2.2
NetR10_1: R10.1 U5.11
NetR11_1: R11.1 U6.13
NetR12_1: R12.1 U5.10
NetR13_1: R13.1 U6.14
NetR14_2: R14.2 U5.9
NetR30_2: R30.2 U13.5
NetR32_1: R32.1 R35.2
NetR33_1: R33.1 R34.2
NetR34_1: R34.1 R36.2
NetR35_1: R35.1 R38.2 U15.1
NetR36_1: R36.1 R39.2 U14.1
NetR38_1: R38.1 R41.2
NetR39_1: R39.1 R47.2
NetR41_1: R41.1 R46.2
NetR45_1: R45.1 R51.2 U18.1
NetR50_2: R50.2 U18.3
NetR56_1: R56.1 R60.1 U18.2
NetR59_1: R59.1 R62.1 U16.3
NetR61_1: R61.1 R63.1 U17.3
NetR64_1: R64.1 U20.1
NetR64_2: R64.2 U19.1
NetR66_2: R66.2 R67.1
NetR67_2: R67.2 R68.1 R70.2 | length 0.4
  Top Layer w0.381: R67.2 R67.2@98.923,48.114
NetSW3_2: SW3.2 U9.8
OSC1: C22.1 U5.13 Y2.2
OSC2: C29.1 U5.12 Y2.1
OSC32_IN: C27.1 U1.3 Y3.1
OSC32_OUT: C40.1 U1.4 Y3.2
OSC_IN: C10.1 U1.5 Y1.1
OSC_OUT: C21.1 U1.6 Y1.2 | length 1.8
  Top Layer w0.254: Y1.2@77.288,91.618 Y1.2@77.288,93.438
RST/J: C11.1 R5.1 U5.15
RUN: L2.2 U1.27
RUN_BUZZER: R22.2 U1.11
RX1: J6.3 U6.8
RXD1: U1.31 U6.9
RXD2: U1.13 U6.12
RXD3: R10.2 U1.22
S_DIS_CS: J1.4 U1.14
S_DIS_RS: J1.2 U1.16
S_DIS_SCK: J1.3 U1.15
S_DIS_SDA: J1.1 U1.17
SCL: R17.2 U1.42 U10.6
SDA: R18.2 U1.43 U10.5
START: C51.1 R26.1 U1.26 U11.4
START-DET: C49.2 J8.3 U11.2
STOP: C52.1 R28.1 U12.4
SWCLK: J2.1 R2.1 U1.37
SWIO: J2.2 R4.1 U1.34
SWITCH-L: R52.2
SWITCHA: U1.32 U1.33
SWITCHA-N: R54.2
TX1: J6.4 U6.7
TXD1: U1.30 U6.10
TXD2: U1.12 U6.11
TXD3: R12.2 U1.21
V1N: C63.1 R58.2 U5.6
V1P: C60.1 R44.2 U5.5
V3N: C64.1 R60.2 U5.3
V3P: C62.1 R45.2 U5.2
VDD5V: C5.1 C6.1 C72.2 C73.2 EC4.1 J5.6 R6.2 R7.1 R16.2 U2.5 U4.3 U21.8 | length 1
  Top Layer w0.381: C73.2 v1(15.947,102.083)
WDI: R19.2 U1.10 U9.6
pads on no net: J3.4 J5.4 U1.1 U1.2 U1.25 U1.29 U1.38 U2. U4.4 U5.4 U9.5 U13.2 U19.7 U19.8 U20.5 U20.6 U20.7 U21.5 U21.6 U21.7 Y2.3 Y3.3
copper on no net: | length 18.8
  Top Layer w0.1: 105.712,107.493 ccw(c104.212,107.493) 105.712,107.493
  Bottom Layer w0.1: 105.712,107.493 ccw(c104.212,107.493) 105.712,107.493

## Keep-outs
Keep-Out Layer:
  circle w0.2: c10,112 r2.25
  circle w0.2: c110,112 r2.25
  lines w0.2: 115,4 cw(c111,4) 111,0 9,0 4,0 cw(c4,4) 0,4 0,116 cw(c4,116) 4,120 9,120 111,120 cw(c111,116) 115,116 ; 115,4 115,116 ; 115,4 115,54.998 115,116
  lines w1: 3.9,33.757 3.9,54.308

## Silkscreen, mask and mechanical layers (free items; w line width, h text height)
Top Overlay:
  drawing of 4443 lines, arcs and shapes, not listed
  text "灯板接口" at 74.24,111.836 h1.5
  text "校准接口" at 58.772,111.811 h1.5
  text "SWD接口" at 44.268,111.76 h1.5
  text "显示屏接口" at 91.538,111.709 h1.5
  text "刷卡板2" at 91,102 h1.5
  text "刷卡板1" at 11.502,97.409 h1.2
  text "+" at 5.508,94.209 h2.5
  text "-" at 6.422,84.887 h2.5 r90
  text "电流互感器" at 5.787,82.702 h1.2
  text "PF输出" at 47.117,78.384 h1.2
  text "校准----RUN" at 71.831,72.822 h1.5
  text "手动复位" at 82.88,72.822 h1.5
  text "FG" at 27.225,12.192 h1.52
  text "ACL" at 19.529,12.167 h1.52
  text "ACN" at 34.718,12.167 h1.52
  text "ST2" at 50.314,12.116 h1.52
  text "ST1" at 42.617,12.09 h1.52
  text "STOP" at 72.869,9.855 h1.52
  text "G" at 77.085,9.855 h1.52
  text "START" at 79.346,9.855 h1.52
  text "G" at 84.68,9.855 h1.52
  text "SW.D" at 88.566,9.855 h1.52
  text "G" at 92.935,9.83 h1.52
  text "CP" at 96.415,9.83 h1.52
  text "FG" at 99.869,9.83 h1.52
Mechanical 1:
  circle w0.2: c10,10 r2.25
  lines w0.2: 5,102.75 9.25,102.75 9.25,106.68 15.16,106.68 15.16,120 ; 5,114.081 5,116 cw(c9,116) 9,120
  lines w0.254: 5,71.12 54.784,71.12 54.784,62.992 101.774,62.992 115,62.992 ; 67.5,36.246 73.25,36.246 73.25,0 ; 67.5,36.25 56.25,36.25 54.75,37.75 54.75,58.5 114.948,58.5 ; 73.25,7 99,7 99,13.75 99,18 115,18

## Text inside footprints (layer, text, board x,y; h text height)
EC1: Top Overlay "+" at 105.713,29.041 h1.02
EC2: Top Overlay "+" at 70.541,47.804 h1.02 r270
EC3: Top Overlay "+" at 72.41,44.357 h1.02
EC4: Top Overlay "+" at 28.105,72.414 h1.02 r90
SW1: Top Overlay "ON" at 72.595,75.006 h0.76
SW3: Top Overlay "ON" at 86.157,83.745 h0.76 r90